# Altium PCB mainboard.PcbDoc (part 1 of 7) (continued)
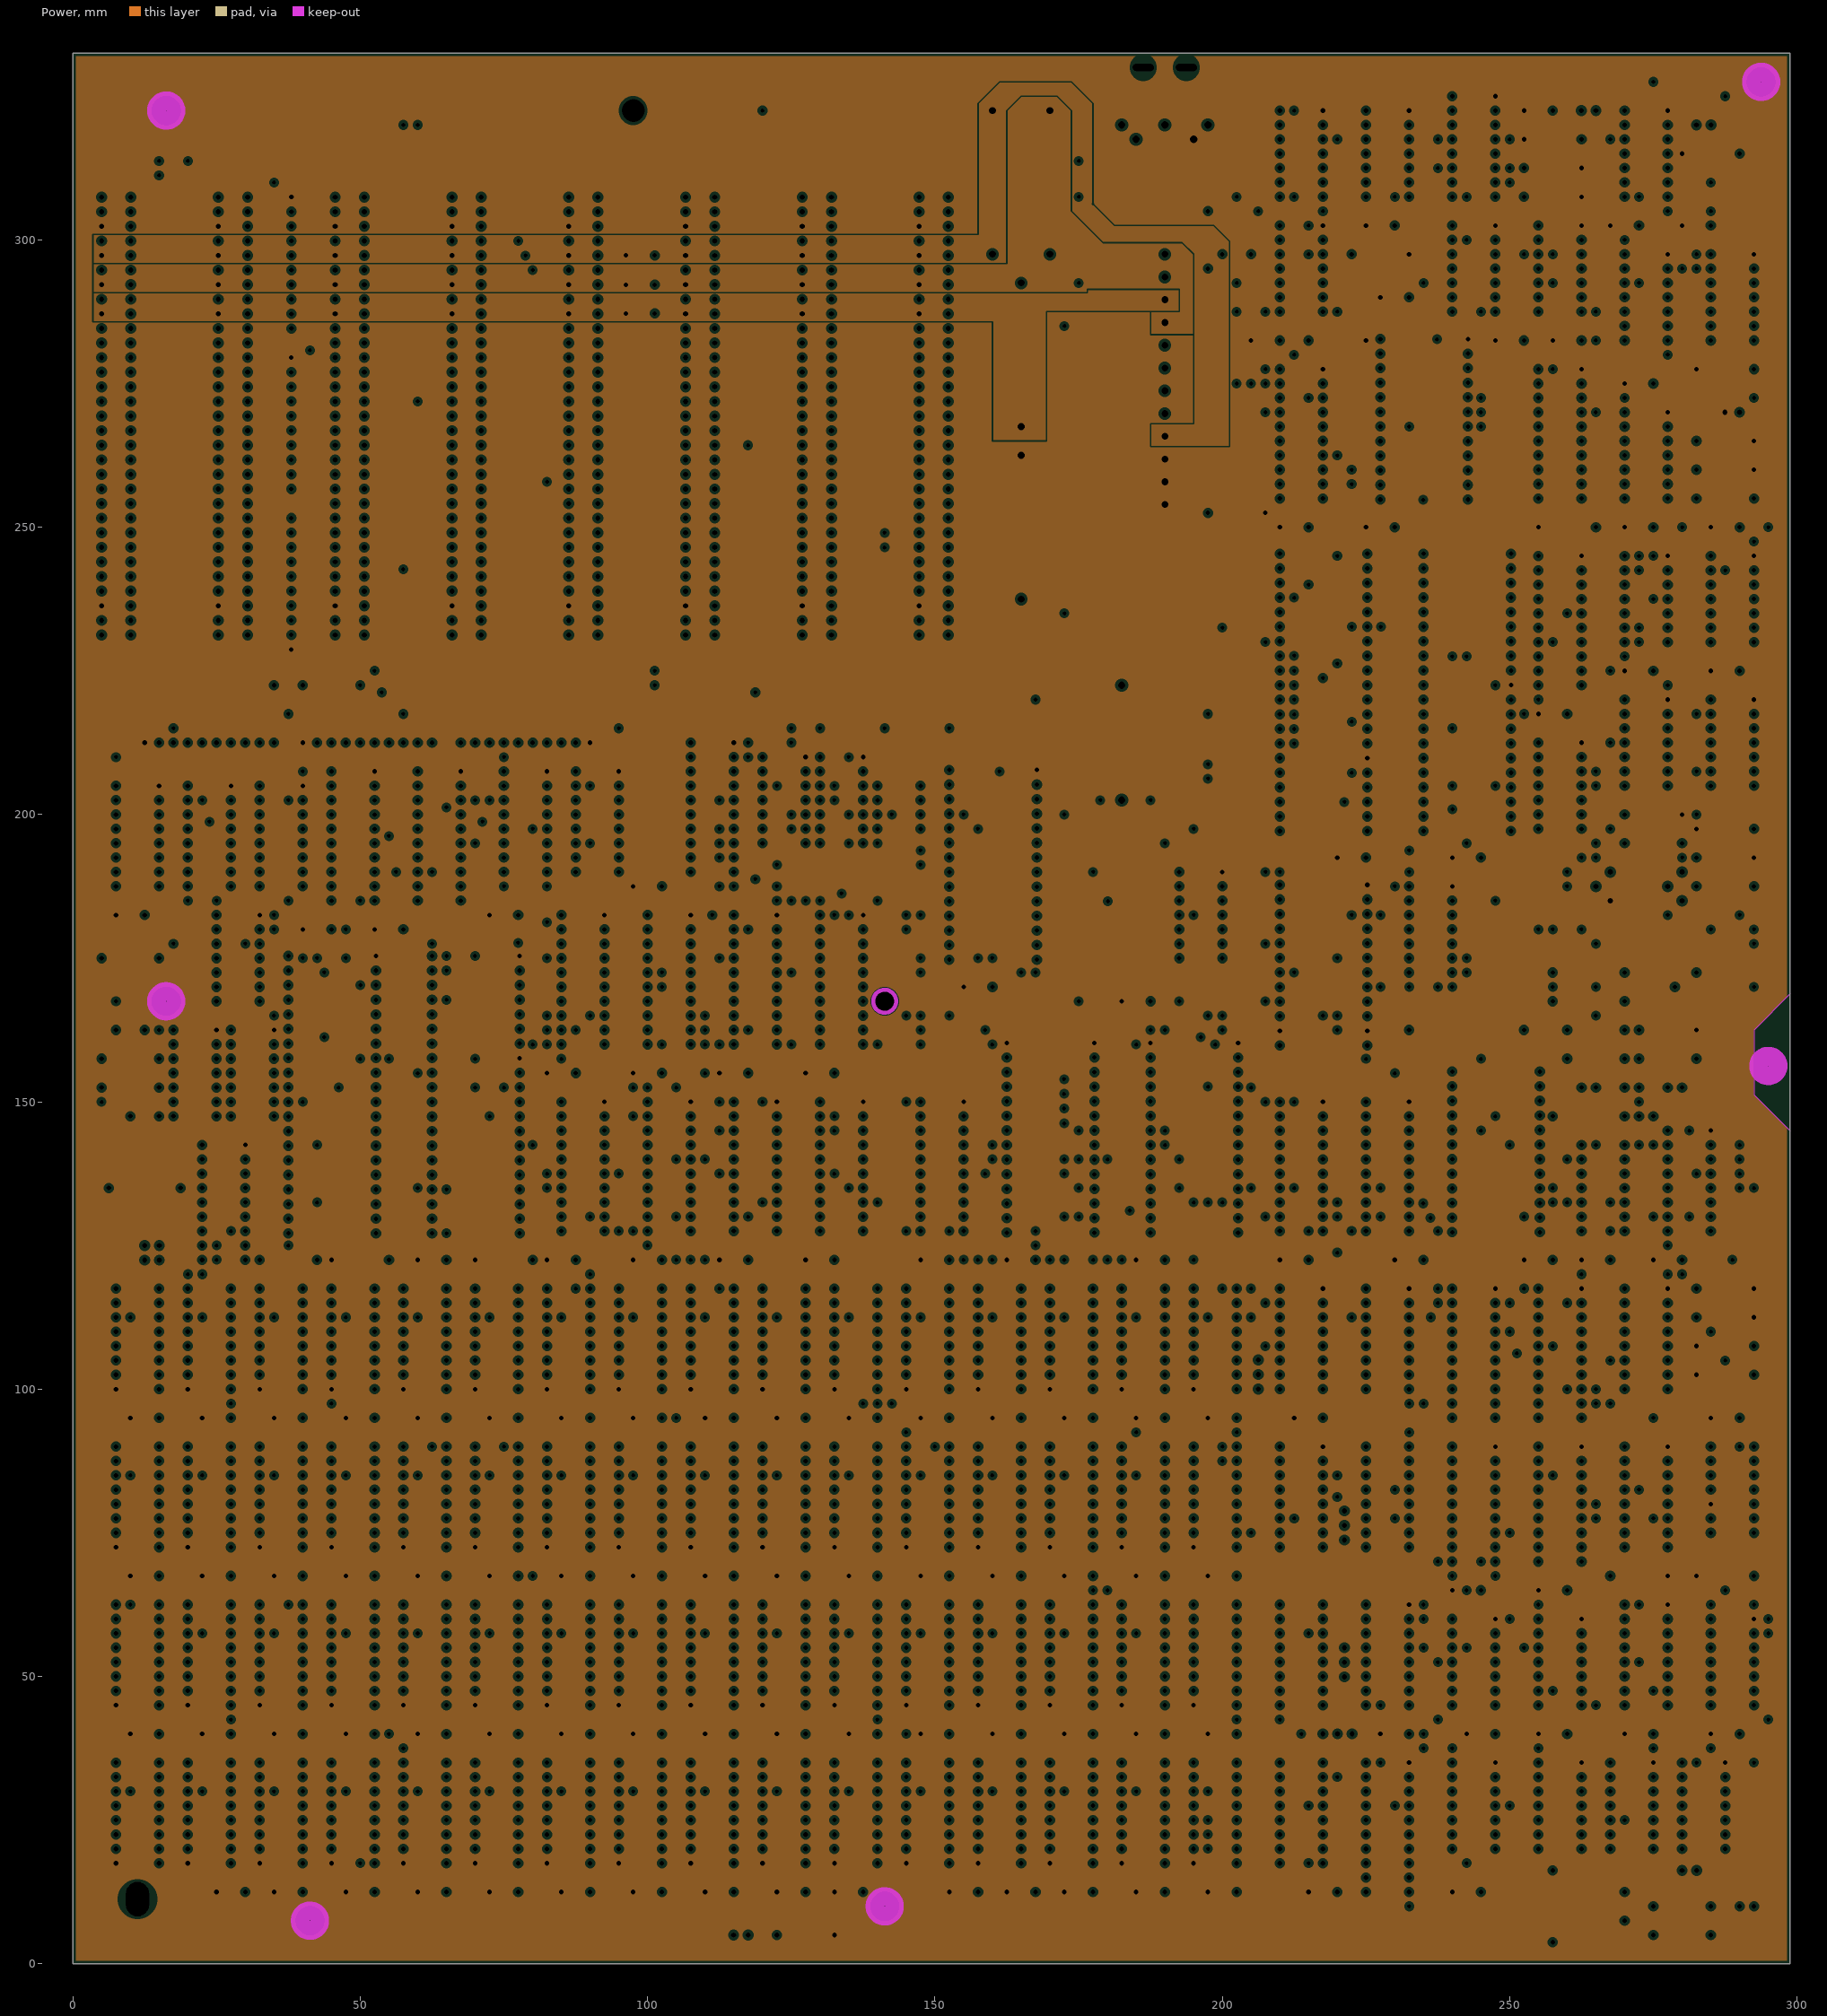
[diagram p3: Power, clearances drawn from the general rule]
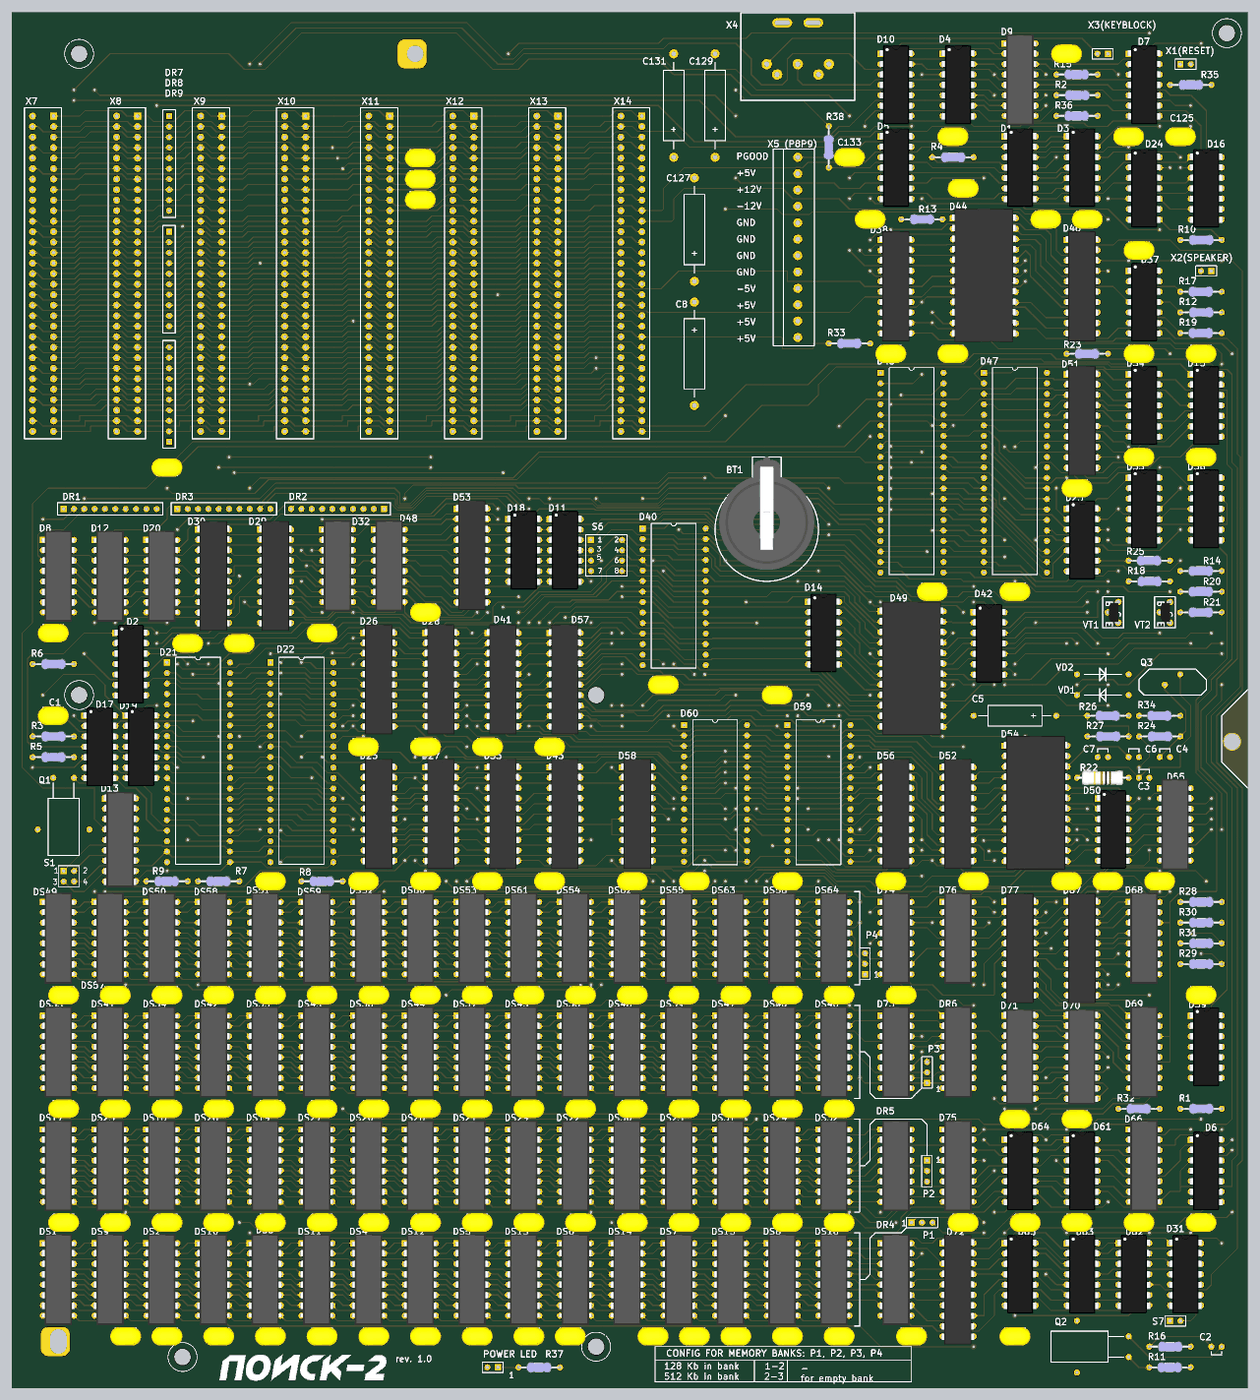
[diagram p10: 3D render of the assembled board from above, using the file's embedded part models]

## Layer stack, top to bottom
Top Solder: solder mask 0.0102, Solder Resist, Dk 3.5
Top: signal copper 0.0356
Dielectric 1: core 0.32, FR-4, Dk 4.8
Ground: plane copper 0.036, net GND
Dielectric 3: prepreg 0.127, Dk 4.2
Power: plane copper 0.036, net (Multiple Nets)
Dielectric 4: core 0.254, Dk 4.2
Bottom: signal copper 0.0356
Bottom Solder: solder mask 0.0102, Solder Resist, Dk 3.5

## Board outline
0,0 298.75,0 298.75,332.5 0,332.5

## Design rules (kind name [scope] priority, off if disabled: settings)
Clearance [All] p1: gap=0.152
HoleSize [All] p1: absolutevalues=TRUE maxlimit=6 minlimit=0.3 maxpercent=80.000 minpercent=20.000
HoleToHoleClearance [All] p1: gap=0.559 allowstackedmicrovias=TRUE
MinimumSolderMaskSliver [All] p1: minsoldermaskwidth=0.457
PlaneClearance [All] p1: clearance=0.508
PlaneConnect [All] p1: planeconnectstyle=Relief reliefexpansion=0.508 reliefentries=4 reliefconductorwidth=0.254 reliefairgap=0.254
PolygonConnect [All] p1: connectstyle=Relief reliefconductorwidth=0.254 reliefentries=4 polygonreliefangle="90 Angle" airgapwidth=0.254
RoutingVias [All] p1: holewidth=0.711 width=1.27 viastyle="Through Hole" minholewidth=0.3 minwidth=0.3 maxholewidth=0.711 maxwidth=1.27
SilkToSilkClearance [All] p1: silktosilkclearance=0.152
SilkToSolderMaskClearance [IsPad] p1: minsilkscreentomaskgap=0.152 clearancetoexposedcopper=TRUE
SolderMaskExpansion [All] p1: expansion=0.152
Width Width_VCC [InNet('VCC')] p1: maxlimit=2 minlimit=0.254 preferedwidth=2
Width [All] p2: maxlimit=0.254 minlimit=0.152 preferedwidth=0.254
23 further rules are at their usual default settings.

## Components (designator, comment, footprint, x,y, rotation, side; value= is the part's Value field where it differs from the comment)
BT1 "BATTERY_6V" BATTERY_6V 182.498,222.5 r270 top
C1 "16pF" Cap_5mm 7.498,162.5 r0 top
C2 "CAP_39" CAP_2.5MM 292.498,10 r180 top
C3 "22N" CAP_2.5MM 272.498,147.5 r0 top
C4 "22N" CAP_2.5MM 277.498,152.5 r0 top
C5 "CAP_10MKF" CAP_20MM_P 252.498,162.5 r180 top
C6 "6N8" CAP_2.5MM 269.998,152.5 r0 top
C7 "6N8" CAP_2.5MM 262.498,152.5 r0 top
C8 "CAP_47MKF" CAP_25MM_P 164.998,262.5 r270 top
C10 "CAP_0.15" Cap_5mm 24.998,12.5 r0 top
C11 "CAP_0.15" Cap_5mm 34.998,12.5 r0 top
C12 "CAP_0.15" Cap_5mm 47.498,12.5 r0 top
C13 "CAP_0.15" Cap_5mm 59.998,12.5 r0 top
C14 "CAP_0.15" Cap_5mm 72.498,12.5 r0 top
C15 "CAP_0.15" Cap_5mm 84.998,12.5 r0 top
C16 "CAP_0.15" Cap_5mm 97.498,12.5 r0 top
C17 "CAP_0.15" Cap_5mm 109.998,12.5 r0 top
C18 "CAP_0.15" Cap_5mm 122.498,12.5 r0 top
C19 "CAP_0.15" Cap_5mm 132.498,12.5 r0 top
C20 "CAP_0.15" Cap_5mm 152.498,12.5 r0 top
C21 "CAP_0.15" Cap_5mm 162.498,12.5 r0 top
C22 "CAP_0.15" Cap_5mm 172.498,12.5 r0 top
C23 "CAP_0.15" Cap_5mm 184.998,12.5 r0 top
C24 "CAP_0.15" Cap_5mm 197.498,12.5 r0 top
C25 "CAP_0.15" Cap_5mm 9.998,40 r0 top
C26 "CAP_0.15" Cap_5mm 22.498,40 r0 top
C27 "CAP_0.15" Cap_5mm 34.998,40 r0 top
C28 "CAP_0.15" Cap_5mm 47.498,40 r0 top
C29 "CAP_0.15" Cap_5mm 59.998,40 r0 top
C30 "CAP_0.15" Cap_5mm 72.498,40 r0 top
C31 "CAP_0.15" Cap_5mm 84.998,40 r0 top
C32 "CAP_0.15" Cap_5mm 97.498,40 r0 top
C33 "CAP_0.15" Cap_5mm 109.998,40 r0 top
C34 "CAP_0.15" Cap_5mm 122.498,40 r0 top
C35 "CAP_0.15" Cap_5mm 134.998,40 r0 top
C36 "CAP_0.15" Cap_5mm 147.498,40 r0 top
C37 "CAP_0.15" Cap_5mm 159.998,40 r0 top
C38 "CAP_0.15" Cap_5mm 172.498,40 r0 top
C39 "CAP_0.15" Cap_5mm 184.998,40 r0 top
C40 "CAP_0.15" Cap_5mm 197.498,40 r0 top
C41 "CAP_0.15" Cap_5mm 9.998,67.5 r0 top
C42 "CAP_0.15" Cap_5mm 22.498,67.5 r0 top
C43 "CAP_0.15" Cap_5mm 34.998,67.5 r0 top
C44 "CAP_0.15" Cap_5mm 47.498,67.5 r0 top
C45 "CAP_0.15" Cap_5mm 59.998,67.5 r0 top
C46 "CAP_0.15" Cap_5mm 72.498,67.5 r0 top
C47 "CAP_0.15" Cap_5mm 84.998,67.5 r0 top
C48 "CAP_0.15" Cap_5mm 97.498,67.5 r0 top
C49 "CAP_0.15" Cap_5mm 109.998,67.5 r0 top
C50 "CAP_0.15" Cap_5mm 122.498,67.5 r0 top
C51 "CAP_0.15" Cap_5mm 134.998,67.5 r0 top
C52 "CAP_0.15" Cap_5mm 147.498,67.5 r0 top
C53 "CAP_0.15" Cap_5mm 159.998,67.5 r0 top
C54 "CAP_0.15" Cap_5mm 172.498,67.5 r0 top
C55 "CAP_0.15" Cap_5mm 184.998,67.5 r0 top
C56 "CAP_0.15" Cap_5mm 197.498,67.5 r0 top
C57 "CAP_0.15" Cap_5mm 9.998,95 r0 top
C58 "CAP_0.15" Cap_5mm 22.498,95 r0 top
C59 "CAP_0.15" Cap_5mm 34.998,95 r0 top
C60 "CAP_0.15" Cap_5mm 47.498,95 r0 top
C61 "CAP_0.15" Cap_5mm 59.998,95 r0 top
C62 "CAP_0.15" Cap_5mm 72.498,95 r0 top
C63 "CAP_0.15" Cap_5mm 84.998,95 r0 top
C64 "CAP_0.15" Cap_5mm 97.498,95 r0 top
C65 "CAP_0.15" Cap_5mm 109.998,95 r0 top
C66 "CAP_0.15" Cap_5mm 122.498,95 r0 top
C67 "CAP_0.15" Cap_5mm 134.998,95 r0 top
C68 "CAP_0.15" Cap_5mm 147.498,95 r0 top
C69 "CAP_0.15" Cap_5mm 159.998,95 r0 top
C70 "CAP_0.15" Cap_5mm 172.498,95 r0 top
C71 "CAP_0.15" Cap_5mm 184.998,95 r0 top
C72 "CAP_0.15" Cap_5mm 197.498,95 r0 top
C73 "CAP_0.15" Cap_5mm 214.998,12.5 r0 top
C74 "CAP_0.15" Cap_5mm 239.998,12.5 r0 top
C75 "CAP_0.15" Cap_5mm 227.498,40 r0 top
C76 "CAP_0.15" Cap_5mm 242.498,40 r0 top
C77 "CAP_0.15" Cap_5mm 254.998,40 r0 top
C78 "CAP_0.15" Cap_5mm 269.998,40 r0 top
C79 "CAP_0.15" Cap_5mm 284.998,40 r0 top
C80 "CAP_0.15" Cap_5mm 239.998,65 r0 top
C81 "CAP_0.15" Cap_5mm 254.998,65 r0 top
C82 "CAP_0.15" Cap_5mm 212.498,95 r0 top
C83 "CAP_0.15" Cap_5mm 284.998,95 r0 top
C84 "CAP_0.15" Cap_5mm 252.498,322.5 r0 top
C85 "CAP_0.15" Cap_5mm 59.998,122.5 r0 top
C86 "CAP_0.15" Cap_5mm 82.498,122.5 r0 top
C87 "CAP_0.15" Cap_5mm 97.498,122.5 r0 top
C88 "CAP_0.15" Cap_5mm 112.498,122.5 r0 top
C89 "CAP_0.15" Cap_5mm 127.498,122.5 r0 top
C90 "CAP_0.15" Cap_5mm 147.498,122.5 r0 top
C91 "CAP_0.15" Cap_5mm 162.498,122.5 r0 top
C92 "CAP_0.15" Cap_5mm 184.998,122.5 r0 top
C93 "CAP_0.15" Cap_5mm 209.998,122.5 r0 top
C94 "CAP_0.15" Cap_5mm 229.998,122.5 r0 top
C95 "CAP_0.15" Cap_5mm 252.498,122.5 r0 top
C96 "CAP_0.15" Cap_5mm 262.498,122.5 r0 top
C97 "CAP_0.15" Cap_5mm 274.998,122.5 r0 top
C98 "CAP_0.15" Cap_5mm 82.498,155 r0 top
C99 "CAP_0.15" Cap_5mm 97.498,155 r0 top
C100 "CAP_0.15" Cap_5mm 112.498,155 r0 top
C101 "CAP_0.15" Cap_5mm 127.498,155 r0 top
C102 "CAP_0.15" Cap_5mm 154.998,170 r0 top
C103 "CAP_0.15" Cap_5mm 182.498,167.5 r0 top
C104 "CAP_0.15" Cap_5mm 7.498,182.5 r0 top
C105 "CAP_0.15" Cap_5mm 39.998,180 r0 top
C106 "CAP_0.15" Cap_5mm 52.498,180 r0 top
C107 "CAP_0.15" Cap_5mm 72.498,182.5 r0 top
C108 "CAP_0.15" Cap_5mm 97.498,187.5 r0 top
C109 "CAP_0.15" Cap_5mm 219.998,192.5 r0 top
C110 "CAP_0.15" Cap_5mm 239.998,192.5 r0 top
C111 "CAP_0.15" Cap_5mm 254.998,217.5 r0 top
C112 "CAP_0.15" Cap_5mm 269.998,225 r0 top
C113 "CAP_0.15" Cap_5mm 284.998,225 r0 top
C114 "CAP_0.15" Cap_5mm 209.998,250 r0 top
C115 "CAP_0.15" Cap_5mm 224.998,250 r0 top
C116 "CAP_0.15" Cap_5mm 269.998,250 r0 top
C117 "CAP_0.15" Cap_5mm 284.998,250 r0 top
C118 "CAP_0.15" Cap_5mm 269.998,275 r0 top
C119 "CAP_0.15" Cap_5mm 257.498,282.5 r0 top
C120 "CAP_0.15" Cap_5mm 247.498,282.5 r0 top
C121 "CAP_0.15" Cap_5mm 227.498,290 r0 top
C122 "CAP_0.15" Cap_5mm 204.998,282.5 r0 top
C123 "CAP_0.15" Cap_5mm 224.998,302.5 r0 top
C124 "CAP_0.15" Cap_5mm 267.498,302.5 r0 top
C125 "CAP_0.15" Cap_5mm 279.998,302.5 r0 top
C127 "CAP_47MKF" CAP_25MM_P 164.998,267.5 r90 top
C128 "CAP_0.15" Cap_5mm 96.248,287.2 r0 top
C129 "CAP_47MKF" CAP_25MM_P 169.998,297.5 r90 top
C130 "CAP_0.15" Cap_5mm 96.248,292.2 r0 top
C131 "CAP_47MKF" CAP_25MM_P 159.998,297.5 r90 top
C132 "CAP_0.15" Cap_5mm 96.248,297.3 r0 top
C133 "CAP_0.15" Cap_5mm 199.998,297.5 r0 top
C134 "CAP_0.15" Cap_5mm 39.998,222.5 r180 top
D1 "KR1533TM2" DIP14 239.998,302.5 r0 top
D2 "KR1533LA1" DIP14 24.998,182.5 r0 top
D3 "KR1533LI1" DIP14 254.998,302.5 r0 top
D4 "K555LL1" DIP14 224.998,322.5 r0 top
D5 "KR1533TM2" DIP14 209.998,302.5 r0 top
D6 "KR1533TM2" DIP14 284.998,60 r0 top
D7 "KR1533LN1" DIP14 269.998,322.5 r0 top
D8 "KR1533IE10" DIP16 7.498,205 r0 top
D9 "KR1533TM9" DIP16 239.998,325 r0 top
D10 "KR1533TM2" DIP14 209.998,322.5 r0 top
D11 "KR1533LN1" DIP14 129.998,210 r0 top
D12 "KR556RT4A" DIP16 19.998,205 r0 top
D13 "KR1810GF84" DIP18 22.498,142.5 r0 top
D14 "KR1533LA3" DIP14 192.498,190 r0 top
D15 "KR1533LE1" DIP14 284.998,245 r0 top
D16 "KR531LN1" DIP14 284.998,297.5 r0 top
D17 "KR1533LI1" DIP14 17.498,162.5 r0 top
D18 "K555LL1" DIP14 119.998,210 r0 top
D19 "KR531TM2" DIP14 27.498,162.5 r0 top
D20 "KR1533TM8" DIP16 32.498,205 r0 top
D21 "KR1810VM86M" DIP40 37.498,175.381 r0 top
D22 "KR1810VM87" DIP40 62.498,175.381 r0 top
D23 "KR1533LN1" DIP14 254.998,212.5 r0 top
D24 "KR1533LP8" DIP14 269.998,297.5 r0 top
D25 "KR1533AP5" DIP20 84.998,150 r0 top
D26 "KR1533AP6" DIP20 84.998,182.5 r0 top
D27 "KR1533IR22" DIP20 99.998,150 r0 top
D28 "KR1533IR22" DIP20 99.998,182.5 r0 top
D29 "KR1533IR22" DIP20 59.998,207.5 r0 top
D30 "KR1810VG88" DIP20 44.998,207.5 r0 top
D31 "KR1533LN1" DIP14 279.998,35 r0 top
D32 "KR556RT4A" DIP16 74.998,207.5 r0 top
D33 "KR1533IR22" DIP20 114.998,150 r0 top
D34 "KR1533LI1" DIP14 269.998,245 r0 top
D35 "KR1533TM2" DIP14 269.998,220 r0 top
D36 "KR1533TM2" DIP14 284.998,220 r0 top
D37 "155LA13" DIP14 269.998,270 r0 top
D38 "KR1533IR24" DIP20 209.998,277.5 r0 top
D39 "K155IE4" DIP14 284.998,90 r0 top
D40 "KR1810VN59A" DIP28 152.498,207.754 r0 top
D41 "KR1533AP6" DIP20 114.998,182.5 r0 top
D42 "K555LL1" DIP14 232.498,187.5 r0 top
D43 "KR1533AP6" DIP20 129.998,150 r0 top
D44 "K155ID3" DIP24 227.498,282.754 r0 top
D45 "KR580VV55A" DIP40 209.998,245.381 r0 top
D46 "KR1533AP6" DIP20 254.998,277.5 r0 top
D47 "KR1810VT37" DIP40 234.998,245.381 r0 top
D48 "KM555IR26" DIP16 87.498,207.5 r0 top
D49 "580VI53" DIP24 209.998,187.754 r0 top
D50 "K561LN2" DIP14 262.498,142.5 r0 top
D51 "KR1533AP5" DIP20 254.998,245 r0 top
D52 "KR1533IR22" DIP20 224.998,150 r0 top
D53 "KR1533AP5" DIP20 107.498,212.5 r0 top
D54 "KR512VI1" DIP24 239.998,155.254 r0 top
D55 "KR556RT4A" DIP16 277.498,145 r0 top
D56 "KR1533AP6" DIP20 209.998,150 r0 top
D57 "KR1533AP6" DIP20 129.998,182.5 r0 top
D58 "KR1533AP6" DIP20 147.498,150 r0 top
D59 "27256" DIP28 187.498,160.254 r0 top
D60 "27256" DIP28 162.498,160.254 r0 top
D61 "K555LL1" DIP14 254.998,60 r0 top
D62 "KR1533LA3" DIP14 267.498,35 r0 top
D63 "KR1533LI1" DIP14 254.998,35 r0 top
D64 "K555LL1" DIP14 239.998,60 r0 top
D65 "KR1533LE1" DIP14 239.998,35 r0 top
D66 "KR1533TM9" DIP16 269.998,62.5 r0 top
D67 "KR1533AP5" DIP20 254.998,117.5 r0 top
D68 "KM555IR26" DIP16 269.998,117.5 r0 top
D69 "KM555IR26" DIP16 269.998,90 r0 top
D70 "KR541RU2A" DIP18 254.998,90 r0 top
D71 "KR541RU2A" DIP18 239.998,90 r0 top
D72 "KR1533AP3" DIP20 224.998,35 r0 top
D73 "KR1533KP14" DIP16 209.998,90 r0 top
D74 "KR1533KP14" DIP16 209.998,117.5 r0 top
D75 "KR1533KP12" DIP16 224.998,62.5 r0 top
D76 "KR1533ID7" DIP16 224.998,117.5 r0 top
D77 "KR1533AP6" DIP20 239.998,117.5 r0 top
DR1 "NR1-4-9_680" NR1-4-9 12.498,212.5 r90 top
DR2 "NR1-4-9_680" NR1-4-9 89.998,212.5 r270 top
DR3 "NR1-4-9_4K7" NR1-4-9 39.998,212.5 r90 top
DR4 "NR1-1-1-8" DIP16 209.998,35 r0 top
DR5 "NR1-1-1-8" DIP16 209.998,62.5 r0 top
DR6 "NR1-1-1-8" DIP16 224.998,90 r0 top
DR7 "NR1-4-9_2K2" NR1-4-9ENG 38.021,307.444 r0 top
DR8 "NR1-4-9_2K2" NR1-4-9ENG 38.016,279.512 r0 top
DR9 "NR1-4-9_2K2" NR1-4-9ENG 38.016,228.725 r180 top
DS1 "KR565RU7" DIP16 7.498,35 r0 top
DS2 "KR565RU7" DIP16 32.498,35 r0 top
DS3 "KR565RU7" DIP16 57.498,35 r0 top
DS4 "KR565RU7" DIP16 82.498,35 r0 top
DS5 "KR565RU7" DIP16 107.498,35 r0 top
DS6 "KR565RU7" DIP16 132.498,35 r0 top
DS7 "KR565RU7" DIP16 157.498,35 r0 top
DS8 "KR565RU7" DIP16 182.498,35 r0 top
DS9 "KR565RU7" DIP16 19.998,35 r0 top
DS10 "KR565RU7" DIP16 44.998,35 r0 top
DS11 "KR565RU7" DIP16 69.998,35 r0 top
DS12 "KR565RU7" DIP16 94.998,35 r0 top
DS13 "KR565RU7" DIP16 119.998,35 r0 top
DS14 "KR565RU7" DIP16 144.998,35 r0 top
DS15 "KR565RU7" DIP16 169.998,35 r0 top
DS16 "KR565RU7" DIP16 194.998,35 r0 top
DS17 "KR565RU7" DIP16 7.498,62.5 r0 top
DS18 "KR565RU7" DIP16 32.498,62.5 r0 top
DS19 "KR565RU7" DIP16 57.498,62.5 r0 top
DS20 "KR565RU7" DIP16 82.498,62.5 r0 top
DS21 "KR565RU7" DIP16 107.498,62.5 r0 top
DS22 "KR565RU7" DIP16 132.498,62.5 r0 top
DS23 "KR565RU7" DIP16 157.498,62.5 r0 top
DS24 "KR565RU7" DIP16 182.498,62.5 r0 top
DS25 "KR565RU7" DIP16 19.998,62.5 r0 top
DS26 "KR565RU7" DIP16 44.998,62.5 r0 top
DS27 "KR565RU7" DIP16 69.998,62.5 r0 top
DS28 "KR565RU7" DIP16 94.998,62.5 r0 top
DS29 "KR565RU7" DIP16 119.998,62.5 r0 top
DS30 "KR565RU7" DIP16 144.998,62.5 r0 top
DS31 "KR565RU7" DIP16 169.998,62.5 r0 top
DS32 "KR565RU7" DIP16 194.998,62.5 r0 top
DS33 "KR565RU7" DIP16 7.498,90 r0 top
DS34 "KR565RU7" DIP16 32.498,90 r0 top
DS35 "KR565RU7" DIP16 57.498,90 r0 top
DS36 "KR565RU7" DIP16 82.498,90 r0 top
DS37 "KR565RU7" DIP16 107.498,90 r0 top
DS38 "KR565RU7" DIP16 132.498,90 r0 top
DS39 "KR565RU7" DIP16 157.498,90 r0 top
DS40 "KR565RU7" DIP16 182.498,90 r0 top
DS41 "KR565RU7" DIP16 19.998,90 r0 top
DS42 "KR565RU7" DIP16 44.998,90 r0 top
DS43 "KR565RU7" DIP16 69.998,90 r0 top
DS44 "KR565RU7" DIP16 94.998,90 r0 top
DS45 "KR565RU7" DIP16 119.998,90 r0 top
DS46 "KR565RU7" DIP16 144.998,90 r0 top
DS47 "KR565RU7" DIP16 169.998,90 r0 top
DS48 "KR565RU7" DIP16 194.998,90 r0 top
DS49 "KR565RU7" DIP16 7.498,117.5 r0 top
DS50 "KR565RU7" DIP16 32.498,117.5 r0 top
DS51 "KR565RU7" DIP16 57.498,117.5 r0 top
DS52 "KR565RU7" DIP16 82.498,117.5 r0 top
DS53 "KR565RU7" DIP16 107.498,117.5 r0 top
DS54 "KR565RU7" DIP16 132.498,117.5 r0 top
DS55 "KR565RU7" DIP16 157.498,117.5 r0 top
DS56 "KR565RU7" DIP16 182.498,117.5 r0 top
DS57 "KR565RU7" DIP16 19.998,117.5 r0 top
DS58 "KR565RU7" DIP16 44.998,117.5 r0 top
DS59 "KR565RU7" DIP16 69.998,117.5 r0 top
DS60 "KR565RU7" DIP16 94.998,117.5 r0 top
DS61 "KR565RU7" DIP16 119.998,117.5 r0 top
DS62 "KR565RU7" DIP16 144.998,117.5 r0 top
DS63 "KR565RU7" DIP16 169.998,117.5 r0 top
DS64 "KR565RU7" DIP16 194.998,117.5 r0 top
P1 "Header 3" HDR1X3 217.498,40 r0 top
P2 "Header 3" HDR1X3 221.248,55 r270 top
P3 "Header 3" HDR1X3 221.25,73.75 r90 top
P4 "Header 3" HDR1X3 206.248,100 r90 top
"POWER LED" "POWER LED" HDR1X2 117.498,5 r180 top (schematic designator X15)
Q1 "XTAL_24MHZ" XTAL_24MHZ 9.998,147.5 r0 top
Q2 "XTAL_14318" XTAL_24MHZ 269.998,12.5 r270 top
Q3 "XTAL_32768" XTAL32768 282.498,172.5 r0 top
R1 "RES_1K" RES_10MM 292.498,67.5 r180 top
R2 "RES_1K" RES_10MM 262.498,312.5 r180 top
R3 "RES_1K" RES_10MM 14.998,157.5 r180 top
R4 "RES_1K" RES_10MM 232.498,297.5 r180 top
R5 "RES_750" RES_10MM 14.998,152.5 r180 top
R6 "RES_750" RES_10MM 14.998,175 r180 top
R7 "RES_4K7" RES_10MM 44.998,122.5 r0 top
R8 "RES_4K7" RES_10MM 69.998,122.5 r0 top
R9 "RES_4K7" RES_10MM 32.498,122.5 r0 top
R10 "RES_4K7" RES_10MM 292.498,277.5 r180 top
R11 "RES_390" RES_10MM 274.998,5 r0 top
R12 "RES_1K" RES_10MM 292.498,260 r180 top
R13 "RES_1K" RES_10MM 224.998,282.5 r180 top
R14 "RES_1K" RES_10MM 282.498,197.5 r0 top
R15 "RES_1K" RES_10MM 252.498,317.5 r0 top
R16 "RES_390" RES_10MM 284.998,10 r180 top
R17 "RES_10K" RES_10MM 282.498,265 r0 top
R18 "RES_10K" RES_10MM 279.998,195 r180 top
R19 "RES_100" RES_10MM 282.498,255 r0 top
R20 "RES_51K" RES_10MM 282.498,192.5 r0 top
R21 "RES_10K" RES_10MM 282.498,187.5 r0 top
R22 "RES_5M1" RES_12.5MM 257.498,147.5 r0 top
R23 "RES_1K" RES_10MM 254.998,250 r0 top
R24 "RES_470K" RES_10MM 282.498,157.5 r180 top
R25 "RES_4K7" RES_10MM 269.998,200 r0 top
R26 "RES_10K" RES_10MM 259.998,162.5 r0 top
R27 "RES_1K" RES_10MM 269.998,157.5 r180 top
R28 "RES_680" RES_10MM 292.498,117.5 r180 top
R29 "RES_680" RES_10MM 292.498,102.5 r180 top
R30 "RES_680" RES_10MM 292.498,112.5 r180 top
R31 "RES_680" RES_10MM 292.498,107.5 r180 top
R32 "RES_1K" RES_10MM 267.498,67.5 r0 top
R33 "RES_2K2" RES_10MM 197.498,252.5 r0 top
R34 "RES_4K7" RES_10MM 272.498,162.5 r0 top
R35 "RES_1K" RES_10MM 289.998,315 r180 top
R36 "RES_1K" RES_10MM 252.498,307.5 r0 top
R37 "RES_300" RES_10MM 122.498,5 r0 top
R38 "RES_1K" RES_10MM 197.498,295 r90 top
S1 "Header 2X2" HDR2X2 12.498,125 r270 top
S6 "HEADER4X2" HEADER4X2 139.998,205 r0 top
S7 "Header 2" HDR1X2 279.998,16.25 r0 top
VD1 "KD522A" DIOD_12.5 269.998,167.5 r180 top
VD2 "KD522A" DIOD_12.5 257.498,172.5 r0 top
VT1 "KT361A" TRANS 267.498,190 r270 top
VT2 "KT315G" TRANS 279.998,190 r270 top
X1(RESET) "RESET" HDR1X2 282.498,320 r0 top (schematic designator X1)
X2(SPEAKER) "SPEAKER" HDR1X2 289.998,270 r180 top (schematic designator X2)
X3(KEYBLOCK) "KEYB LOCK" HDR1X2 264.998,322.5 r180 top (schematic designator X3)